# KiCad board NewMXtest.kicad_pcb (continued)
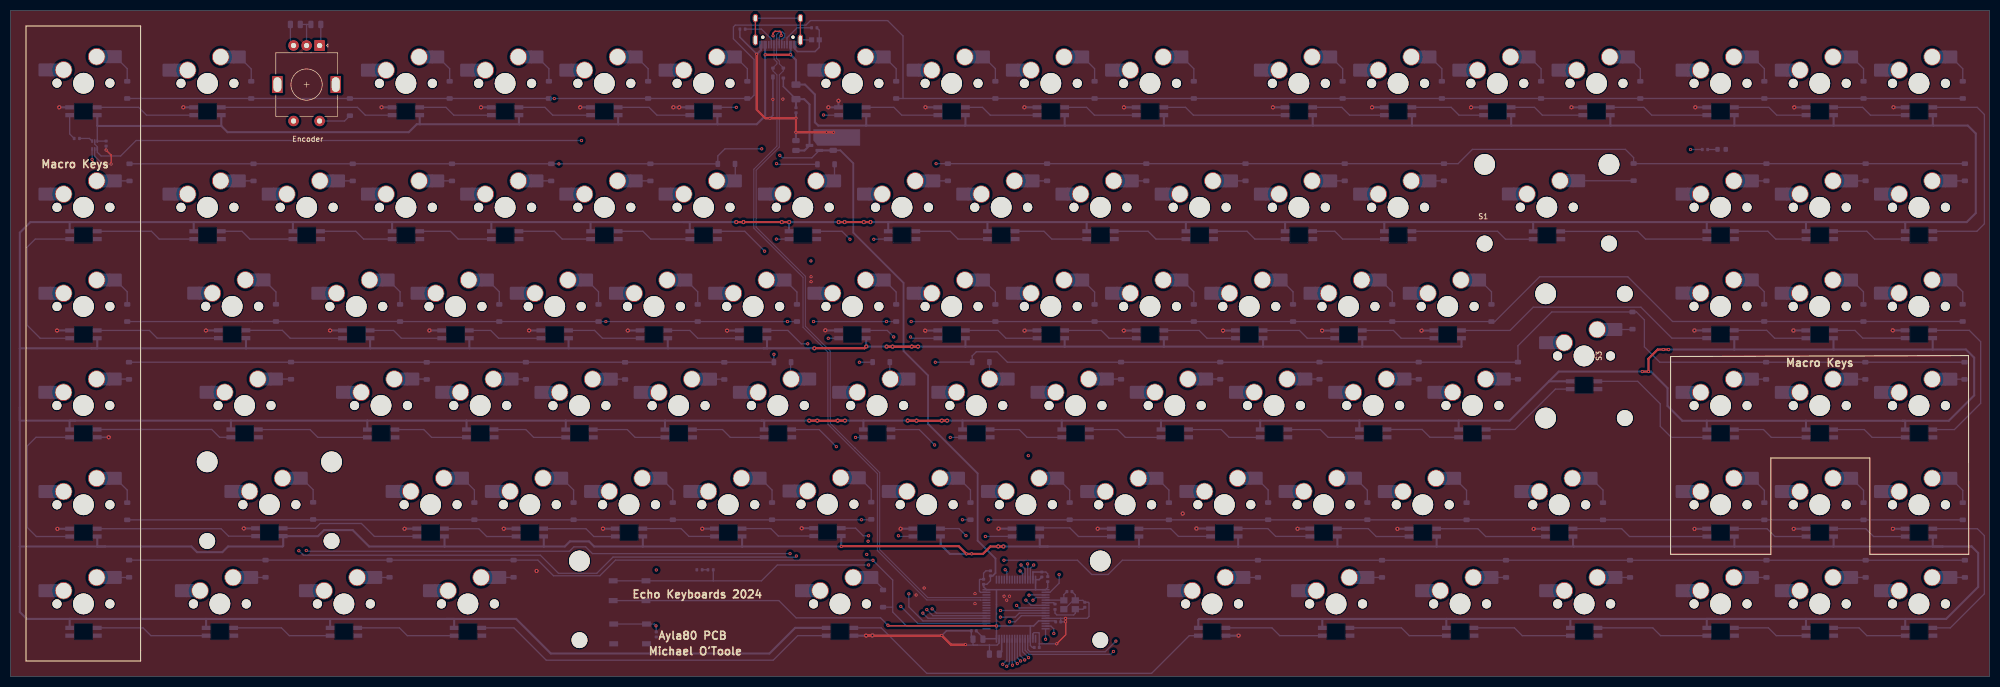
[diagram p0: board, top side]
## Footprints (pads in the part's own frame, mm; a bottom-side part is the same pattern mirrored in y, then rotated)
BEADC1608X95N
  rect 1x0.97 smd: 1(-0.735,0) 2(0.735,0)
C_0402_1005Metric
  rrect 0.56x0.62 smd: 1(-0.48,0) 2(0.48,0)
C_0805_2012Metric
  rrect 1x1.45 smd: 1(-0.95,0) 2(0.95,0)
Crystal_SMD_3225-4Pin_3.2x2.5mm
  rect 1.4x1.2 smd: 1(-1.1,-0.85) 2(1.1,-0.85) 3(1.1,0.85) 4(-1.1,0.85)
Diode_SOD-123
  rrect 0.9x1.2 smd: 1(-1.65,0) 2(1.65,0)
Fuse_1206_3216Metric
  rrect 1.25x1.75 smd: 1(-1.4,0) 2(1.4,0)
LED_0603_1608Metric
  rrect 0.875x0.95 smd: 1(-0.787,0) 2(0.787,0)
LQFP-64_10x10mm_P0.5mm
  rrect 1.55x0.3 smd: 1(-5.675,3.75) 2(-5.675,3.25) 3(-5.675,2.75) 4(-5.675,2.25) 5(-5.675,1.75) 6(-5.675,1.25) 7(-5.675,0.75) 8(-5.675,0.25) 9(-5.675,-0.25) 10(-5.675,-0.75) 11(-5.675,-1.25) 12(-5.675,-1.75) 13(-5.675,-2.25) 14(-5.675,-2.75) 15(-5.675,-3.25) 16(-5.675,-3.75) 33(5.675,-3.75) 34(5.675,-3.25) 35(5.675,-2.75) 36(5.675,-2.25) 37(5.675,-1.75) 38(5.675,-1.25) 39(5.675,-0.75) 40(5.675,-0.25) 41(5.675,0.25) 42(5.675,0.75) 43(5.675,1.25) 44(5.675,1.75) 45(5.675,2.25) 46(5.675,2.75) 47(5.675,3.25) 48(5.675,3.75)
  rrect 0.3x1.55 smd: 17(-3.75,-5.675) 18(-3.25,-5.675) 19(-2.75,-5.675) 20(-2.25,-5.675) 21(-1.75,-5.675) 22(-1.25,-5.675) 23(-0.75,-5.675) 24(-0.25,-5.675) 25(0.25,-5.675) 26(0.75,-5.675) 27(1.25,-5.675) 28(1.75,-5.675) 29(2.25,-5.675) 30(2.75,-5.675) 31(3.25,-5.675) 32(3.75,-5.675) 49(3.75,5.675) 50(3.25,5.675) 51(2.75,5.675) 52(2.25,5.675) 53(1.75,5.675) 54(1.25,5.675) 55(0.75,5.675) 56(0.25,5.675) 57(-0.25,5.675) 58(-0.75,5.675) 59(-1.25,5.675) 60(-1.75,5.675) 61(-2.25,5.675) 62(-2.75,5.675) 63(-3.25,5.675) 64(-3.75,5.675)
MX_HS_RGB_1U
  round 1.75 hole 1.75 unplated: (-5.081,0.05) (5.079,0.05)
  round 3.988 hole 3.988 unplated: (-0.02,0.02)
  round 3.3 hole 3: 1(3.809,2.59) 2(-2.541,5.13)
  rect 1.65x2.5 smd: 1(5.634,2.59) 2(-4.341,5.13)
  rrect 2.55x2.5 smd: 1(7.359,2.59) 2(-6.091,5.13)
R_0402_1005Metric
  rrect 0.54x0.64 smd: 1(-0.51,0) 2(0.51,0)
RotaryEncoder_Alps_EC11E-Switch_Vertical_H20mm
  rect 3.2x2 hole 2.8x1.5 unplated: (7.5,3.1) (7.5,-8.1)
  rect 2x2 hole 1: A(0,0)
  round 2 hole 1: B(0,-5) C(0,-2.5) S1(14.5,-5) S2(14.5,0)
SK6812-E
  rect 1.675x0.82 smd: 1(2.65,0.75) 2(2.65,-0.75) 3(-2.675,-0.75) 4(-2.65,0.75)
SOT-23
  rrect 1.475x0.6 smd: 1(-0.938,0.95) 2(-0.938,-0.95) 3(0.938,0)
SOT-143
  rrect 0.7x1 smd: 1(-1,0.75)
  rrect 0.7x0.6 smd: 2(-1,-0.95) 3(1,-0.95) 4(1,0.95)
SOT-563
  rrect 0.7x0.34 smd: 1(-0.75,0.5) 2(-0.75,0) 3(-0.75,-0.5) 4(0.75,-0.5) 5(0.75,0) 6(0.75,0.5)
Stabilizer_MX_2.00u
  round 3.048 hole 3.048 unplated: (-11.938,6.985) (11.938,6.985)
  round 3.988 hole 3.988 unplated: (-11.938,-8.225) (11.938,-8.225)
Stabilizer_MX_6.25u
  round 3.048 hole 3.048 unplated: (-50,6.985) (50,6.985)
  round 3.988 hole 3.988 unplated: (-50,-8.225) (50,-8.225)
SW_MX_HS_2.25U
  round 1.75 hole 1.75 unplated: (-5.08,-0.05) (5.08,-0.05)
  round 3.988 hole 3.988 unplated: (0,-0.05)
  round 3.3 hole 3: 1(3.81,2.49) 2(-2.54,5.03)
  rect 1.65x2.5 smd: 1(5.635,2.49) 2(-4.34,5.03)
  rrect 2.55x2.5 smd: 1(7.36,2.49) 2(-6.09,5.03)
SW_MX_HS_CPG151101S11_1.5u
  round 1.75 hole 1.75 unplated: (-5.08,0) (5.08,0)
  round 3.988 hole 3.988 unplated: (0,0)
  round 3.3 hole 3: 1(3.81,2.54) 2(-2.54,5.08)
  rect 1.65x2.5 smd: 1(5.635,2.54) 2(-4.34,5.08)
  rrect 2.55x2.5 smd: 1(7.36,2.54) 2(-6.09,5.08)
SW_MX_HS_CPG151101S11_1.25u
  round 1.75 hole 1.75 unplated: (-5.08,0) (5.08,0)
  round 3.988 hole 3.988 unplated: (0,0)
  round 3.3 hole 3: 1(3.81,2.54) 2(-2.54,5.08)
  rect 1.65x2.5 smd: 1(5.635,2.54) 2(-4.34,5.08)
  rrect 2.55x2.5 smd: 1(7.36,2.54) 2(-6.09,5.08)
SW_MX_HS_CPG151101S11_1.75u
  round 1.75 hole 1.75 unplated: (-5.08,0) (5.08,0)
  round 3.988 hole 3.988 unplated: (0,0)
  round 3.3 hole 3: 1(3.81,2.54) 2(-2.54,5.08)
  rect 1.65x2.5 smd: 1(5.635,2.54) 2(-4.34,5.08)
  rrect 2.55x2.5 smd: 1(7.36,2.54) 2(-6.09,5.08)
SW_MX_HS_CPG151101S11_1u
  round 1.75 hole 1.75 unplated: (-5.08,0) (5.08,0)
  round 3.988 hole 3.988 unplated: (0,0)
  round 3.3 hole 3: 1(3.81,2.54) 2(-2.54,5.08)
  rect 1.65x2.5 smd: 1(5.635,2.54) 2(-4.34,5.08)
  rrect 2.55x2.5 smd: 1(7.36,2.54) 2(-6.09,5.08)
SW_SPST_TL3342
  rect 1.7x1 smd: 1(-3.15,1.9) 1(3.15,1.9) 2(-3.15,-1.9) 2(3.15,-1.9)
USB_C_Receptacle_HRO_TYPE-C-31-M-12
  round 0.65 hole 0.65 unplated: (-2.89,2.6) (2.89,2.6)
  rect 0.6x1.45 smd: A1(-3.25,4.045) A4(-2.45,4.045) A9(2.45,4.045) A12(3.25,4.045) B1(3.25,4.045) B4(2.45,4.045) B9(-2.45,4.045) B12(-3.25,4.045)
  rect 0.3x1.45 smd: A5(-1.25,4.045) A6(-0.25,4.045) A7(0.25,4.045) A8(1.25,4.045) B5(1.75,4.045) B6(0.75,4.045) B7(-0.75,4.045) B8(-1.75,4.045)
  oval 1x1.6 hole 0.6x1.2: S1(-4.32,-1.05) S1(4.32,-1.05)
  oval 1x2.1 hole 0.6x1.7: S1(-4.32,3.13) S1(4.32,3.13)

## Nets
+3V3: BOOT1.2 C1.1 C2.1 C3.1 C4.1 C5.1 C6.1 C7.1 C8.1 C15.1 U1.1 U1.5 U2.1 U2.13 U2.19 U2.32 U2.48 U2.64 U3.2
+5V: C13.1 C14.1 F1.2 U3.3 U4.4
GND: C1.2 C2.2 C3.2 C4.2 C5.2 C6.2 C7.2 C8.2 C9.2 C10.2 C11.2 C12.2 C13.2 C14.2 C15.2 C16.2 C17.2 C18.2 FB1.2 J1.A1 J1.A12 J1.B1 J1.B12 Led1.1 R4.1 R5.1 R6.2 RGB1.3 RGB2.3 RGB3.3 RGB4.3 RGB5.3 RGB6.3 RGB7.3 RGB8.3 RGB9.3 RGB10.3 RGB11.3 RGB12.3 RGB13.3 RGB14.3 RGB15.3 RGB16.3 RGB17.3 RGB18.3 RGB19.3 RGB20.3 RGB21.3 RGB22.3 RGB23.3 RGB24.3 RGB25.3 RGB26.3 RGB27.3 RGB28.3 RGB29.3 RGB30.3 RGB31.3 RGB32.3 RGB33.3 RGB34.3 RGB35.3 RGB36.3 RGB37.3 RGB38.3 RGB39.3 RGB40.3 RGB41.3 RGB42.3 RGB43.3 RGB44.3 RGB45.3 RGB46.3 RGB47.3 RGB48.3 RGB49.3 RGB50.3 RGB51.3 RGB52.3 RGB53.3 RGB54.3 RGB55.3 RGB56.3 RGB57.3 RGB58.3 RGB59.3 RGB60.3 RGB61.3 RGB62.3 RGB63.3 RGB64.3 RGB65.3 RGB66.3 RGB67.3 RGB68.3 RGB69.3 RGB70.3 RGB71.3 RGB72.3 RGB73.3 RGB74.3 RGB75.3 RGB76.3 RGB77.3 RGB78.3 RGB79.3 RGB80.3 RGB81.3 RGB82.3 RGB83.3 RGB84.3 RGB85.3 RGB86.3 RGB87.3 RGB88.3 RGB89.3 RGB90.3 RGB91.3 RGB92.3 RGB93.3 RGB94.3 RGB95.3 RGB96.3 RGB97.3 RGB98.3 RGB99.3 RST1.2 SW1.C U1.2 U2.12 U2.18 U2.31 U2.47 U2.63 U3.1 U4.1 Y1.2 Y1.4
VBUS: C18.1 F1.1 J1.A4 J1.A9 J1.B4 J1.B9 RGB1.1 RGB2.1 RGB3.1 RGB4.1 RGB5.1 RGB6.1 RGB7.1 RGB8.1 RGB9.1 RGB10.1 RGB11.1 RGB12.1 RGB13.1 RGB14.1 RGB15.1 RGB16.1 RGB17.1 RGB18.1 RGB19.1 RGB20.1 RGB21.1 RGB22.1 RGB23.1 RGB24.1 RGB25.1 RGB26.1 RGB27.1 RGB28.1 RGB29.1 RGB30.1 RGB31.1 RGB32.1 RGB33.1 RGB34.1 RGB35.1 RGB36.1 RGB37.1 RGB38.1 RGB39.1 RGB40.1 RGB41.1 RGB42.1 RGB43.1 RGB44.1 RGB45.1 RGB46.1 RGB47.1 RGB48.1 RGB49.1 RGB50.1 RGB51.1 RGB52.1 RGB53.1 RGB54.1 RGB55.1 RGB56.1 RGB57.1 RGB58.1 RGB59.1 RGB60.1 RGB61.1 RGB62.1 RGB63.1 RGB64.1 RGB65.1 RGB66.1 RGB67.1 RGB68.1 RGB69.1 RGB70.1 RGB71.1 RGB72.1 RGB73.1 RGB74.1 RGB75.1 RGB76.1 RGB77.1 RGB78.1 RGB79.1 RGB80.1 RGB81.1 RGB82.1 RGB83.1 RGB84.1 RGB85.1 RGB86.1 RGB87.1 RGB88.1 RGB89.1 RGB90.1 RGB91.1 RGB92.1 RGB93.1 RGB94.1 RGB95.1 RGB96.1 RGB97.1 RGB98.1 RGB99.1 U1.6
BOOT0: BOOT1.1 R3.1 U2.60
COL0: MX1.1 MX18.1 MX36.1 MX53.1 MX71.1 MX88.1 U2.2
COL1: MX2.1 MX19.1 MX37.1 MX54.1 MX72.1 MX89.1 U2.3
COL2: MX20.1 MX38.1 MX55.1 MX73.1 MX90.1 SW1.S1 U2.4
COL3: MX3.1 MX21.1 MX39.1 MX56.1 MX74.1 MX91.1 U2.8
COL4: MX4.1 MX22.1 MX40.1 MX57.1 MX75.1 U2.9
COL5: MX5.1 MX23.1 MX41.1 MX58.1 MX76.1 U2.10
COL6: MX6.1 MX24.1 MX42.1 MX59.1 MX77.1 U2.11
COL7: MX7.1 MX25.1 MX43.1 MX60.1 MX78.1 MX92.1 U2.15
COL8: MX8.1 MX26.1 MX44.1 MX61.1 MX79.1 U2.16
COL9: MX9.1 MX27.1 MX45.1 MX62.1 MX80.1 U2.20
COL10: MX10.1 MX28.1 MX46.1 MX63.1 MX81.1 U2.21
COL11: MX11.1 MX29.1 MX47.1 MX64.1 MX82.1 MX93.1 U2.22
COL12: MX12.1 MX30.1 MX48.1 MX65.1 MX83.1 MX94.1 U2.23
COL13: MX13.1 MX31.1 MX49.1 MX66.1 MX84.1 MX95.1 U2.24
COL14: MX14.1 MX32.1 MX67.1 MX96.1 U2.25
COL15: MX15.1 MX33.1 MX50.1 MX68.1 MX85.1 MX97.1 U2.26
COL16: MX16.1 MX34.1 MX51.1 MX69.1 MX86.1 MX98.1 U2.27
COL17: MX17.1 MX35.1 MX52.1 MX70.1 MX87.1 MX99.1 U2.28
D+: J1.A6 J1.B6 U2.45 U4.3
D-: J1.A7 J1.B7 U2.44 U4.2
EXTERNAL_EEPROM_SPI_SLAVE_SELECT_PIN: U2.50
NRST: C9.1 RST1.1 U2.7
PH0: C10.1 U2.5 Y1.3
PH1: R2.1 U2.6
R_A: C17.1 SW1.A U2.61
R_B: C16.1 SW1.B U2.62
RGB: U1.3 U2.53
RGB_DATA: R1.2 RGB1.4
ROW0: D1.1 D2.1 D3.1 D4.1 D5.1 D6.1 D7.1 D8.1 D9.1 D10.1 D11.1 D12.1 D13.1 D14.1 D15.1 D16.1 D17.1 D100.1 U2.39
ROW1: D18.1 D19.1 D20.1 D21.1 D22.1 D23.1 D24.1 D25.1 D26.1 D27.1 D28.1 D29.1 D30.1 D31.1 D32.1 D33.1 D34.1 D35.1 U2.38
ROW2: D36.1 D37.1 D38.1 D39.1 D40.1 D41.1 D42.1 D43.1 D44.1 D45.1 D46.1 D47.1 D48.1 D49.1 D50.1 D51.1 D52.1 U2.37
ROW3: D53.1 D54.1 D55.1 D56.1 D57.1 D58.1 D59.1 D60.1 D61.1 D62.1 D63.1 D64.1 D65.1 D66.1 D67.1 D68.1 D69.1 D70.1 U2.36
ROW4: D71.1 D72.1 D73.1 D74.1 D75.1 D76.1 D77.1 D78.1 D79.1 D80.1 D81.1 D82.1 D83.1 D84.1 D85.1 D86.1 D87.1 U2.35
ROW5: D88.1 D89.1 D90.1 D91.1 D92.1 D93.1 D94.1 D95.1 D96.1 D97.1 D98.1 D99.1 U2.34
SPI_MISO_PIN: U2.56
SPI_MOSI_PIN: U2.57
SPI_SCK_PIN: U2.55
Net-(C11-Pad1): C11.1 R2.2 Y1.1
Net-(D1-A): D1.2 MX1.2
Net-(D2-A): D2.2 MX2.2
Net-(D3-A): D3.2 MX3.2
Net-(D4-A): D4.2 MX4.2
Net-(D5-A): D5.2 MX5.2
Net-(D6-A): D6.2 MX6.2
Net-(D7-A): D7.2 MX7.2
Net-(D8-A): D8.2 MX8.2
Net-(D9-A): D9.2 MX9.2
Net-(D10-A): D10.2 MX10.2
Net-(D11-A): D11.2 MX11.2
Net-(D12-A): D12.2 MX12.2
Net-(D13-A): D13.2 MX13.2
Net-(D14-A): D14.2 MX14.2
Net-(D15-A): D15.2 MX15.2
Net-(D16-A): D16.2 MX16.2
Net-(D17-A): D17.2 MX17.2
Net-(D18-A): D18.2 MX18.2
Net-(D19-A): D19.2 MX19.2
Net-(D20-A): D20.2 MX20.2
Net-(D21-A): D21.2 MX21.2
Net-(D22-A): D22.2 MX22.2
Net-(D23-A): D23.2 MX23.2
Net-(D24-A): D24.2 MX24.2
Net-(D25-A): D25.2 MX25.2
Net-(D26-A): D26.2 MX26.2
Net-(D27-A): D27.2 MX27.2
Net-(D28-A): D28.2 MX28.2
Net-(D29-A): D29.2 MX29.2
Net-(D30-A): D30.2 MX30.2
Net-(D31-A): D31.2 MX31.2
Net-(D32-A): D32.2 MX32.2
Net-(D33-A): D33.2 MX33.2
Net-(D34-A): D34.2 MX34.2
Net-(D35-A): D35.2 MX35.2
Net-(D36-A): D36.2 MX36.2
Net-(D37-A): D37.2 MX37.2
Net-(D38-A): D38.2 MX38.2
Net-(D39-A): D39.2 MX39.2
Net-(D40-A): D40.2 MX40.2
Net-(D41-A): D41.2 MX41.2
Net-(D42-A): D42.2 MX42.2
Net-(D43-A): D43.2 MX43.2
Net-(D44-A): D44.2 MX44.2
Net-(D45-A): D45.2 MX45.2
Net-(D46-A): D46.2 MX46.2
Net-(D47-A): D47.2 MX47.2
Net-(D48-A): D48.2 MX48.2
Net-(D49-A): D49.2 MX49.2
Net-(D50-A): D50.2 MX50.2
Net-(D51-A): D51.2 MX51.2
Net-(D52-A): D52.2 MX52.2
Net-(D53-A): D53.2 MX53.2
Net-(D54-A): D54.2 MX54.2
Net-(D55-A): D55.2 MX55.2
Net-(D56-A): D56.2 MX56.2
Net-(D57-A): D57.2 MX57.2
Net-(D58-A): D58.2 MX58.2
Net-(D59-A): D59.2 MX59.2
Net-(D60-A): D60.2 MX60.2
Net-(D61-A): D61.2 MX61.2
Net-(D62-A): D62.2 MX62.2
Net-(D63-A): D63.2 MX63.2
Net-(D64-A): D64.2 MX64.2
Net-(D65-A): D65.2 MX65.2
Net-(D66-A): D66.2 MX66.2
Net-(D67-A): D67.2 MX67.2
Net-(D68-A): D68.2 MX68.2
Net-(D69-A): D69.2 MX69.2
Net-(D70-A): D70.2 MX70.2
Net-(D71-A): D71.2 MX71.2
Net-(D72-A): D72.2 MX72.2
Net-(D73-A): D73.2 MX73.2
Net-(D74-A): D74.2 MX74.2
Net-(D75-A): D75.2 MX75.2
Net-(D76-A): D76.2 MX76.2
Net-(D77-A): D77.2 MX77.2
Net-(D78-A): D78.2 MX78.2
Net-(D79-A): D79.2 MX79.2
Net-(D80-A): D80.2 MX80.2
Net-(D81-A): D81.2 MX81.2
Net-(D82-A): D82.2 MX82.2
Net-(D83-A): D83.2 MX83.2
Net-(D84-A): D84.2 MX84.2
Net-(D85-A): D85.2 MX85.2
Net-(D86-A): D86.2 MX86.2
Net-(D87-A): D87.2 MX87.2
Net-(D88-A): D88.2 MX88.2
Net-(D89-A): D89.2 MX89.2
Net-(D90-A): D90.2 MX90.2
Net-(D91-A): D91.2 MX91.2
Net-(D92-A): D92.2 MX92.2
Net-(D93-A): D93.2 MX93.2
Net-(D94-A): D94.2 MX94.2
Net-(D95-A): D95.2 MX95.2
Net-(D96-A): D96.2 MX96.2
Net-(D97-A): D97.2 MX97.2
Net-(D98-A): D98.2 MX98.2
Net-(D99-A): D99.2 MX99.2
Net-(D100-A): D100.2 SW1.S2
Net-(J1-CC1): J1.A5 R5.2
Net-(J1-CC2): J1.B5 R6.1
Net-(J1-SHIELD): FB1.1 J1.S1
Net-(Led1-A): Led1.2 R7.2
Net-(R3-Pad2): R3.2 R4.2
Net-(RGB1-DOUT): RGB1.2 RGB2.4
Net-(RGB2-DOUT): RGB2.2 RGB3.4
Net-(RGB3-DOUT): RGB3.2 RGB4.4
Net-(RGB4-DOUT): RGB4.2 RGB5.4
Net-(RGB5-DOUT): RGB5.2 RGB6.4
Net-(RGB6-DOUT): RGB6.2 RGB7.4
Net-(RGB7-DOUT): RGB7.2 RGB8.4
Net-(RGB8-DOUT): RGB8.2 RGB9.4
Net-(RGB10-DIN): RGB9.2 RGB10.4
Net-(RGB10-DOUT): RGB10.2 RGB11.4
Net-(RGB11-DOUT): RGB11.2 RGB12.4
Net-(RGB12-DOUT): RGB12.2 RGB13.4
Net-(RGB13-DOUT): RGB13.2 RGB14.4
Net-(RGB14-DOUT): RGB14.2 RGB15.4
Net-(RGB15-DOUT): RGB15.2 RGB16.4
Net-(RGB16-DOUT): RGB16.2 RGB17.4
Net-(RGB17-DOUT): RGB17.2 RGB35.4
Net-(RGB18-DIN): RGB18.4 RGB19.2
Net-(RGB18-DOUT): RGB18.2 RGB36.4
Net-(RGB19-DIN): RGB19.4 RGB20.2
Net-(RGB20-DIN): RGB20.4 RGB21.2
Net-(RGB21-DIN): RGB21.4 RGB22.2
Net-(RGB22-DIN): RGB22.4 RGB23.2
Net-(RGB23-DIN): RGB23.4 RGB24.2
Net-(RGB24-DIN): RGB24.4 RGB25.2
Net-(RGB25-DIN): RGB25.4 RGB26.2
Net-(RGB26-DIN): RGB26.4 RGB27.2
Net-(RGB27-DIN): RGB27.4 RGB28.2
Net-(RGB28-DIN): RGB28.4 RGB29.2
Net-(RGB29-DIN): RGB29.4 RGB30.2
Net-(RGB30-DIN): RGB30.4 RGB31.2
Net-(RGB31-DIN): RGB31.4 RGB32.2
Net-(RGB32-DIN): RGB32.4 RGB33.2
Net-(RGB33-DIN): RGB33.4 RGB34.2
Net-(RGB34-DIN): RGB34.4 RGB35.2
Net-(RGB36-DOUT): RGB36.2 RGB37.4
Net-(RGB37-DOUT): RGB37.2 RGB38.4
Net-(RGB38-DOUT): RGB38.2 RGB39.4
Net-(RGB39-DOUT): RGB39.2 RGB40.4
Net-(RGB40-DOUT): RGB40.2 RGB41.4
Net-(RGB41-DOUT): RGB41.2 RGB42.4
Net-(RGB42-DOUT): RGB42.2 RGB43.4
Net-(RGB43-DOUT): RGB43.2 RGB44.4
Net-(RGB44-DOUT): RGB44.2 RGB45.4
Net-(RGB45-DOUT): RGB45.2 RGB46.4
Net-(RGB46-DOUT): RGB46.2 RGB47.4
Net-(RGB47-DOUT): RGB47.2 RGB48.4
Net-(RGB48-DOUT): RGB48.2 RGB49.4
Net-(RGB49-DOUT): RGB49.2 RGB50.4
Net-(RGB50-DOUT): RGB50.2 RGB51.4
Net-(RGB51-DOUT): RGB51.2 RGB52.4
Net-(RGB52-DOUT): RGB52.2 RGB70.4
Net-(RGB53-DIN): RGB53.4 RGB54.2
Net-(RGB53-DOUT): RGB53.2 RGB71.4
Net-(RGB54-DIN): RGB54.4 RGB55.2
Net-(RGB55-DIN): RGB55.4 RGB56.2
Net-(RGB56-DIN): RGB56.4 RGB57.2
Net-(RGB57-DIN): RGB57.4 RGB58.2
Net-(RGB58-DIN): RGB58.4 RGB59.2
Net-(RGB59-DIN): RGB59.4 RGB60.2
Net-(RGB60-DIN): RGB60.4 RGB61.2
Net-(RGB61-DIN): RGB61.4 RGB62.2
Net-(RGB62-DIN): RGB62.4 RGB63.2
Net-(RGB63-DIN): RGB63.4 RGB64.2
Net-(RGB64-DIN): RGB64.4 RGB65.2
Net-(RGB65-DIN): RGB65.4 RGB66.2
Net-(RGB66-DIN): RGB66.4 RGB67.2
Net-(RGB67-DIN): RGB67.4 RGB68.2
Net-(RGB68-DIN): RGB68.4 RGB69.2
Net-(RGB69-DIN): RGB69.4 RGB70.2
Net-(RGB71-DOUT): RGB71.2 RGB72.4
Net-(RGB72-DOUT): RGB72.2 RGB73.4
Net-(RGB73-DOUT): RGB73.2 RGB74.4
Net-(RGB74-DOUT): RGB74.2 RGB75.4
Net-(RGB75-DOUT): RGB75.2 RGB76.4
Net-(RGB76-DOUT): RGB76.2 RGB77.4
Net-(RGB77-DOUT): RGB77.2 RGB78.4
Net-(RGB78-DOUT): RGB78.2 RGB79.4
Net-(RGB79-DOUT): RGB79.2 RGB80.4
Net-(RGB80-DOUT): RGB80.2 RGB81.4
Net-(RGB81-DOUT): RGB81.2 RGB82.4
Net-(RGB82-DOUT): RGB82.2 RGB83.4
Net-(RGB83-DOUT): RGB83.2 RGB84.4
Net-(RGB84-DOUT): RGB84.2 RGB85.4
Net-(RGB85-DOUT): RGB85.2 RGB86.4
Net-(RGB86-DOUT): RGB86.2 RGB87.4
Net-(RGB87-DOUT): RGB87.2 RGB99.4
Net-(RGB88-DIN): RGB88.4 RGB89.2
Net-(RGB89-DIN): RGB89.4 RGB90.2
Net-(RGB90-DIN): RGB90.4 RGB91.2
Net-(RGB91-DIN): RGB91.4 RGB92.2
Net-(RGB92-DIN): RGB92.4 RGB93.2
Net-(RGB93-DIN): RGB93.4 RGB94.2
Net-(RGB94-DIN): RGB94.4 RGB95.2
Net-(RGB95-DIN): RGB95.4 RGB96.2
Net-(RGB96-DIN): RGB96.4 RGB97.2
Net-(RGB97-DIN): RGB97.4 RGB98.2
Net-(RGB98-DIN): RGB98.4 RGB99.2
Net-(U1-B): R1.1 U1.4
Net-(U2-PB7): R7.1 U2.59
Net-(U2-VCAP1): C12.1 U2.30

Pads without a net: J1 A8 B8; RGB88 2; U2 14 17 29 33 40 41 42 43 46 49 51 52 54 58

## Via types
v1: diameter 0.6, hole 0.3, Top to Bottom, 117 vias
v2: diameter 0.8, hole 0.4, Top to Bottom, 83 vias

## Routing (per net, layer and track width the routed paths; a pad name or vN(x,y) marks a point on that pad's centre or on a via; arc(x,y) is an arc through that point)
+3V3: length 370.2
  Top w0.25: 168.49,9.86 v1(168.47,9.88) 168.62,9.73 v1(189.32,9.73)
  In1.Cu w0.25: v1(109.66,103) 143.97,103 144,102.98 144.91,102.98 v1(147.73,100.16)
  Bottom w0.25: C4.1 200.51,10.7 U2.13 ; C2.1 187.48,17.73 188.17,18.42 C8.1 ; v1(168.47,9.88) 167.07,11.28 150.86,11.28 147.54,14.6 BOOT1.2 BOOT1.2 ; U3.2 153.87,99.67 148.21,99.67 v1(147.73,100.16) ; v1(109.66,103) 24.13,103 21.16,100.03 17.4,100.03 16.68,100.76 U1.1 16.68,101.82 16.18,102.32 U1.5 ; C6.1 196.22,5.59 195.82,5.99 U2.19 ; C1.1 186.72,7.52 C5.1 ; C7.1 199.17,17.12 U2.1 ; 189.32,16.67 189.3,16.7
  Bottom w0.3: 195.84,9.73 196.45,9.73 197.41,10.7 U2.13 ; 195.84,9.73 195.82,9.72 U2.19 ; 195.84,9.73 189.36,9.73 189.32,9.7 U2.32 186.8,7.27 C1.1 ; C2.1 186.85,17.25 U2.48 U2.1 ; 189.32,16.67 v1(189.32,9.73) 189.32,9.37 ; 196.83,16.7 196.82,16.7 U2.64 197.51,18.62 C3.1
  Bottom w0.35: C8.1 188.6,19.36 189.13,19.89 189.13,22.69 185.7,26.12 185.7,39.04 176.18,48.56 176.18,57.87 171.48,62.57 171.48,75.65 161.83,85.3 161.83,98.63 159.35,101.11 C15.1
  Bottom w0.4: U3.2 157.97,101.1 C15.1
+5V: length 20.6
  Bottom w0.3: F1.2 148.4,113.38 U4.4
  Bottom w0.4: C13.1 F1.2 152.41,110.95 153.43,109.93 U3.3 152.46,101.09 C14.1
GND: length 297.4
  Top w0.25: v1(19.33,98.48) 19.33,100.21 v1(18.37,101.17) ; v1(202.6,11.2) 202.6,8 v1(200.9,6.3)
  Top w0.3: v1(150.83,107.29) 150.81,107.27 150.82,107.26
  Top w0.4: v1(183.35,6.15) 180.57,6.15 v1(178.82,7.9) 178.8,7.88 v2(164.3,7.88) 164.32,7.9 v2(165.5,7.9) ; 150.81,107.27 v1(145.83,107.27) 144.94,107.27 143.29,108.92 v1(143.29,119.59) ; 150.82,107.26 v1(150.82,104.6) v1(158,104.6)
  Bottom w0.2: Y1.2 202.36,12.95 204.06,14.65 Y1.4
  Bottom w0.25: C10.2 204.46,15.69 Y1.4 205.91,14.65 C11.2 206.94,14.28 207.09,14.13 207.09,11.56 206.73,11.2 v1(202.6,11.2) 201.66,11.2 ; U2.12 201.66,11.2 ; 201.66,11.2 201.65,11.2 C4.2 ; U2.47 186.25,16.2 186.06,16.39 186.06,18.57 186.18,18.69 C2.2 186.85,19.87 187.3,20.32 C8.2 ; 197.54,6.3 C6.2 ; 197.54,6.3 v1(200.9,6.3) 201.1,6.3 ; 197.54,6.3 197.54,8.34 197.44,8.44 196.52,8.44 196.32,8.23 196.32,8.12 196.32,8.12 U2.18 ; v1(183.35,6.15) 183.45,6.05 185.65,6.05 ; 185.65,6.05 184.92,6.05 184.82,6.15 C1.2 184.49,7.53 C5.2 ; 185.65,6.05 187.96,6.05 ; U1.2 16.18,99.99 17.68,98.48 v1(19.33,98.48) ; 187.96,6.05 187.97,6.05 C12.2 ; 187.96,6.05 189.44,6.05 189.82,6.43 U2.31 ; 56.93,125.3 56.86,125.24 SW1.C ; 56.93,125.3 C16.2 ; 56.93,125.3 C17.2 ; R6.2 155.3,124.21 FB1.2 ; C7.2 199.17,19.74 198.82,20.09 C3.2 ; v1(18.37,101.17) C18.2
  Bottom w0.3: C5.2 179.72,8.79 v1(178.82,7.9) ; U2.63 196.32,20.09 196.33,20.09 C3.2 ; RGB53.3 18.87,45.98 v2(18.88,45.98) ; J1.A12 150.6,120.6 151.1,120.1 154.5,120.1 155.3,120.9 FB1.2 ; v1(143.29,119.59) 143.3,119.6 143.3,119.62 140.06,122.86 R5.1 ; 156.7,103.01 v1(156.7,104.6) v1(158,104.6) 157.98,104.58 C15.2 156.7,103.01 ; 156.7,103.01 155.31,103.01 U3.1 ; C4.2 v1(202.6,10.52) 202.6,10.53 ; U4.1 v1(146.4,110.9) 146.4,107.84 v1(145.83,107.27)
  Bottom w0.4: J1.A1 144.1,120.41 v1(143.29,119.59) ; v2(361.41,66.52) 361.42,66.53 363.77,66.53 ; v2(94.72,28.41) 94.73,28.42 97.04,28.42 ; 197.06,109.38 v2(194.69,109.38) ; 47.13,28.47 44.82,28.47 v2(44.81,28.46) ; 273.31,66.49 270.96,66.49 v2(270.95,66.48) ; 301.95,109.38 v2(299.73,109.38) ; RGB51.3 342.36,66.51 v2(342.35,66.5) ; 197.08,66.49 194.73,66.49 v2(194.72,66.48) ; 216.13,66.49 213.78,66.49 v2(213.77,66.48) ; v2(75.67,28.41) 75.68,28.42 77.99,28.42 ; 178.06,109.38 v2(175.69,109.38) ; v2(37.52,66.5) 37.53,66.51 39.84,66.51 ; 116.09,28.42 116.08,28.41 v2(113.77,28.41) ; v2(235.8,7.88) 235.79,7.86 RGB93.3 ; 178,66.49 175.66,66.49 v2(175.65,66.48) ; v2(9.38,109.38) 11.35,109.38 RGB1.3 ; 158.98,110.65 v2(158.99,110.64) RGB7.3 157.06,109.38 v2(157.05,109.38) ; v2(323.34,28.39) 325.65,28.39 325.66,28.4 ; 63.71,66.51 61.41,66.51 v2(61.4,66.5) ; v2(151.93,28.49) 151.94,28.5 154.24,28.5 ; RGB13.3 v2(280.45,109.38) ; v2(292.46,28.39) 292.47,28.4 294.78,28.4 ; 120.85,66.5 118.55,66.5 v2(118.54,66.49) ; 216.16,109.38 v2(213.79,109.38) ; 363.76,28.4 361.45,28.4 v2(361.44,28.39) ; v2(132.82,28.41) 132.83,28.42 135.14,28.42 ; C13.2 v1(150.83,107.29) 150.82,107.28 v1(150.82,104.6) C14.2 ; 249.44,28.42 249.43,28.41 v2(247.12,28.41) ; RGB79.3 v2(189.72,28.43) ; v2(109.4,109.38) 111.37,109.38 ; 268.62,28.4 266.31,28.4 v2(266.3,28.39) ; v2(99.6,66.5) 101.9,66.5 101.91,66.51 ; 173.24,28.42 173.23,28.41 v2(170.92,28.41) ; v2(9.02,28.39) 9.03,28.4 11.33,28.4 ; 325.68,66.51 323.33,66.51 v2(323.32,66.5) ; v2(33.2,109.38) 35.17,109.38 ; v2(127.29,109.38) 130.38,109.38 ; RGB43.3 156.48,66.51 v2(156.47,66.53) ; v2(342.39,28.39) 342.4,28.4 344.71,28.4 ; RGB17.3 v2(361.55,109.38) ; v2(71.25,109.38) 73.22,109.38 ; 325.73,109.38 v2(323.5,109.38) ; 230.41,28.45 v2(227.72,28.45) ; 263.8,109.38 v2(261.43,109.38) ; v2(232.82,66.48) 232.83,66.49 235.18,66.49 ; RGB92.3 165.46,7.86 v2(165.5,7.9) ; v2(90.35,109.38) 92.32,109.38 ; 211.33,28.43 v2(208.75,28.43) ; v2(8.95,66.5) 8.96,66.51 11.26,66.51 ; 254.2,66.49 251.86,66.49 v2(251.85,66.48) ; RGB16.3 v2(342.5,109.38) ; RGB42.3 139.91,66.49 137.61,66.49 v2(137.6,66.48) ; 82.76,66.51 80.46,66.51 v2(80.45,66.5) ; 244.76,109.38 v2(242.39,109.38)
  vias: v1(148.32,110.95) v1(153.72,76.83) v1(153.72,75.88) v1(173.89,15.68) v1(175.44,17.02) v1(185.2,15.93) v1(185.2,14.03) v1(190.78,15.45) v1(191.29,14.69) v1(191.8,15.45) v2(101.03,20.3) v2(128.41,109.38) v2(225.07,31.33)
VBUS: length 2520.1
  Top w0.4: v1(318.39,62.82) 318.37,62.84 v1(317.33,62.84) 316.29,62.84 314.51,61.07 v1(314.51,58.6) v1(313.3,58.6) ; v2(174.25,63.4) v2(173.05,63.4) v2(169.37,63.4) v2(168.23,63.4) ; v2(164.34,63.43) 163.99,63.07 v2(154.36,63.07) ; v1(144.91,119.46) 144.94,119.49 v1(149.8,119.49) ; v2(149.51,87.33) v2(140.75,87.33) v2(139.35,87.33) ; v2(153.37,49.18) v2(160.23,49.18) ; v2(172.27,49.18) v2(179.84,49.18) ; 159.55,25.08 159.58,25.05 182.07,25.05 v1(183.54,23.58) 186.72,23.58 188.14,25 v2(190.66,25) ; v2(165.13,87.33) v2(159.03,87.33)
  Bottom w0.25: 16.67,105.88 16.68,105.88 U1.6 18.36,102.89 C18.1
  Bottom w0.4: 350.02,25 331.02,25 ; 350.02,25 350.05,25.03 RGB86.1 ; 350.02,25 370.97,25 ; 331.02,25 331,25.02 RGB85.1 ; 331.02,25 300.15,25 ; 202.47,105.87 202.41,105.93 RGB9.1 ; 202.47,105.87 183.29,105.87 ; 202.47,105.87 221.52,105.87 ; 182.81,49.18 182.81,49.18 RGB61.1 ; 182.81,49.18 v2(178.82,49.18) ; 182.81,49.18 201.86,49.18 ; 97.69,106.13 116.74,106.13 ; 97.69,106.13 78.64,106.13 ; 97.69,106.13 97.64,106.18 RGB4.1 ; 116.74,106.13 116.69,106.18 RGB5.1 ; 116.74,106.13 135.79,106.13 ; RGB7.1 164.31,105.94 164.24,105.87 ; RGB1.1 16.67,105.88 16.75,105.8 40.49,105.8 ; 244.76,87.33 244.74,87.31 RGB30.1 ; 244.76,87.33 263.68,87.33 ; 244.76,87.33 225.71,87.33 ; 126.27,63.07 144.61,63.07 ; 126.27,63.07 107.22,63.07 ; 126.27,63.07 126.21,63.13 RGB41.1 ; 144.61,63.07 145.32,63.07 145.26,63.13 RGB42.1 ; 144.61,63.07 v2(154.36,63.07) ; 106.61,49.18 106.62,49.16 106.62,47.46 ; 106.61,49.18 125.71,49.18 ; 106.61,49.18 87.56,49.18 ; 125.71,49.18 144.2,49.18 ; 125.71,49.18 125.68,49.15 125.68,47.46 ; 144.2,49.18 144.63,49.18 144.72,49.09 144.72,47.46 ; 144.2,49.18 v2(154.92,49.18) ; 216.69,25 216.7,25.01 216.68,25.03 RGB80.1 ; 216.69,25 235.74,25 ; 216.69,25 199.17,25 ; 135.79,106.13 135.74,106.18 RGB6.1 ; 135.79,106.13 143.29,106.13 144.91,107.75 v1(144.91,119.46) ; 1.81,63.05 1.83,63.07 15.52,63.07 ; 1.81,63.05 1.81,85.3 3.84,87.33 11.84,87.33 ; 1.81,63.05 1.81,51.72 ; 369.22,105.87 369.1,105.99 RGB17.1 ; 369.22,105.87 375.82,105.87 377.35,104.35 377.35,89.06 375.62,87.33 363.63,87.33 ; 369.22,105.87 350.04,105.87 ; 295.4,56.74 299.49,56.74 ; 295.4,56.74 297.27,58.6 v1(314.51,58.6) 314.99,58.6 318.17,55.43 318.17,52 321.01,49.15 325.71,49.15 ; 295.4,56.74 287.84,49.18 278.08,49.18 ; v2(169.37,63.4) 164.32,63.4 164.31,63.41 RGB43.1 ; RGB36.1 16.67,63.08 16.67,63.07 15.52,63.07 ; 325.71,49.15 344.73,49.15 ; 325.71,49.15 325.7,49.15 RGB68.1 ; 344.73,49.15 363.3,49.15 ; 344.73,49.15 344.75,49.14 RGB69.1 ; 40.49,105.8 41.69,104.6 76.48,104.6 78.01,106.13 78.64,106.13 ; 40.49,105.8 RGB2.1 ; 350.07,62.84 350.03,62.88 RGB51.1 ; 350.07,62.84 330.99,62.84 ; 350.07,62.84 375.47,62.84 377.04,61.27 377.04,54.03 372.17,49.15 363.3,49.15 ; RGB95.1 275.69,11.08 275.7,11.08 ; J1.A9 v1(149.8,119.49) 150.83,118.46 F1.1 152.56,113.75 154.46,111.84 154.46,106.51 155.1,105.87 164.24,105.87 ; 68.53,49.18 87.56,49.18 ; 68.53,49.18 42.32,49.18 ; 68.53,49.18 68.52,49.17 RGB55.1 ; 87.56,49.18 87.58,49.16 87.58,47.46 ; RGB24.1 130.44,87.31 130.46,87.33 129.19,87.33 ; 275.7,11.08 251.92,11.08 ; 275.7,11.08 299.5,11.08 ; 251.92,11.08 251.88,11.04 RGB94.1 ; 251.92,11.08 228.25,11.08 228.07,10.9 RGB93.1 ; 164.24,105.87 183.29,105.87 ; 220.88,49.18 220.9,49.16 RGB63.1 ; 220.88,49.18 201.86,49.18 ; 220.88,49.18 239.98,49.18 ; 239.98,49.18 259.01,49.18 ; 239.98,49.18 239.95,49.15 RGB64.1 ; 259.01,49.18 278.08,49.18 ; 259.01,49.18 259,49.18 RGB65.1 ; 363.3,49.15 363.76,49.15 363.8,49.11 RGB70.1 ; 197.67,25 197.64,25.02 197.65,25.03 ; 197.67,25 197.63,25.04 197.63,27.07 ; 197.67,25 199.17,25 ; 299.5,11.08 299.51,11.07 RGB96.1 ; 299.5,11.08 326.85,11.08 ; 169.45,87.33 168.56,87.33 168.54,87.31 RGB26.1 ; 169.45,87.33 v2(163.86,87.33) ; 169.45,87.33 187.61,87.33 ; 206.66,87.33 225.71,87.33 ; 206.66,87.33 206.64,87.31 RGB28.1 ; 206.66,87.33 187.61,87.33 ; 225.71,87.33 225.69,87.31 RGB29.1 ; 102.42,25 102.4,25.02 102.4,26.91 ; 102.42,25 83.37,25 ; 102.42,25 106.45,25 107.43,25.98 111.1,25.98 112.07,25 121.4,25 ; 83.37,25 83.35,25.02 83.35,26.91 ; 83.37,25 68.86,25 65.71,28.15 60.23,28.15 59.06,26.98 RGB72.1 52.37,25.12 52.25,25 41.78,25 40.69,23.91 35.83,23.91 34.74,25 18.19,25 ; 221.52,105.87 221.46,105.93 RGB10.1 ; 221.52,105.87 250.09,105.87 ; 163.78,47.46 163.78,49.17 163.78,49.18 ; 18.19,25 16.67,25 16.67,25.01 RGB71.1 ; 18.19,25 1.81,25 ; RGB97.1 325.7,11.07 325.71,11.08 326.85,11.08 ; RGB44.1 183.36,63.42 183.34,63.4 ; 121.4,25 140.52,25 ; 121.4,25 121.43,25.03 RGB75.1 ; 140.52,25 159.47,25 159.55,25.08 159.53,25.1 RGB77.1 ; 140.52,25 140.48,25.04 RGB76.1 ; RGB88.1 11.38,11.07 11.38,11.08 37.55,11.08 ; RGB12.1 269.09,105.93 269.14,105.87 ; 344.76,11.08 344.75,11.07 RGB98.1 ; 344.76,11.08 326.85,11.08 ; 344.76,11.08 363.81,11.08 ; 78.64,106.13 78.59,106.18 RGB3.1 ; 42.32,49.18 12.43,49.18 ; 42.32,49.18 42.33,49.17 42.33,47.46 ; RGB82.1 254.78,25.04 254.82,25 ; 254.82,25 235.74,25 ; 254.82,25 273.84,25 ; v2(148.11,87.33) 160.3,87.33 ; RGB31.1 263.79,87.22 263.68,87.33 ; 12.43,49.18 11.46,49.18 11.35,49.07 RGB53.1 ; 12.43,49.18 1.88,49.18 1.81,49.26 1.81,51.72 ; RGB13.1 288.14,105.93 288.19,105.87 ; v1(317.33,62.84) 330.99,62.84 ; v2(173.05,63.4) 183.34,63.4 ; 183.34,63.4 202.42,63.4 ; 54.26,87.33 54.24,87.31 RGB20.1 ; 54.26,87.33 73.31,87.33 ; 54.26,87.33 35.21,87.33 ; 183.29,105.87 183.36,105.94 RGB8.1 ; 1.81,25 1.81,12.4 3.13,11.08 11.92,11.08 ; 1.81,25 1.81,51.72 ; RGB38.1 69.06,63.13 69.12,63.07 ; 325.66,87.33 344.71,87.33 ; 325.66,87.33 292.33,87.33 ; 325.66,87.33 325.7,87.29 RGB33.1 ; 344.71,87.33 363.63,87.33 ; 344.71,87.33 344.75,87.29 RGB34.1 ; 263.68,87.33 292.33,87.33 ; 292.33,87.33 292.36,87.3 RGB32.1 ; 363.63,87.33 363.8,87.16 RGB35.1 ; 370.97,25 376.51,25 376.53,25.02 377.8,23.75 377.8,17.23 371.66,11.08 363.81,11.08 ; 370.97,25 369.09,25 369.09,26.09 369.1,26.1 RGB87.1 ; 88.17,63.07 88.11,63.13 RGB39.1 ; 88.17,63.07 69.12,63.07 ; 88.17,63.07 107.22,63.07 ; 11.84,87.33 11.46,87.33 11.38,87.25 RGB18.1 ; 11.84,87.33 35.21,87.33 ; 37.55,11.08 61.4,11.08 ; 37.55,11.08 37.57,11.06 RGB89.1 ; 61.4,11.08 61.38,11.06 RGB90.1 ; 61.4,11.08 83.72,11.08 ; 45.24,63.07 45.23,63.09 RGB37.1 ; 45.24,63.07 15.52,63.07 ; 45.24,63.07 69.12,63.07 ; 83.72,11.08 85.2,11.08 85.19,11.08 RGB91.1 ; 83.72,11.08 97.11,11.08 103.75,4.44 145.74,4.44 150.66,9.36 RGB92.1 ; 35.21,87.33 35.19,87.31 RGB19.1 ; 235.74,25 235.75,25.01 235.73,25.03 RGB81.1 ; 199.17,25 v2(189.67,25) ; 363.81,11.08 363.8,11.07 RGB99.1 ; 350.04,105.87 350.05,105.88 RGB16.1 ; 350.04,105.87 330.99,105.87 ; RGB66.1 278.06,49.15 278.08,49.18 ; RGB22.1 92.34,87.31 92.36,87.33 ; 107.22,63.07 107.16,63.13 RGB40.1 ; 73.31,87.33 92.36,87.33 ; 73.31,87.33 73.29,87.31 RGB21.1 ; 92.36,87.33 111.41,87.33 ; 163.78,49.18 v2(173.97,49.18) ; 163.78,49.18 v2(158.83,49.18) ; 201.86,49.18 201.85,49.18 RGB62.1 ; 273.84,25 300.15,25 ; 273.84,25 273.83,25.01 RGB83.1 ; 300.15,25 300.02,25.12 RGB84.1 ; 330.99,62.84 330.98,62.86 RGB50.1 ; 330.99,105.87 307.24,105.87 ; 330.99,105.87 331,105.88 RGB15.1 ; 259.57,63.4 278.59,63.4 278.61,63.42 RGB49.1 ; 259.57,63.4 240.52,63.4 ; 259.57,63.4 259.56,63.41 RGB48.1 ; v1(184.56,23.58) 180.37,23.58 178.6,25.35 178.6,26.91 ; 240.52,63.4 221.44,63.4 ; 240.52,63.4 240.51,63.41 RGB47.1 ; 307.24,105.87 288.19,105.87 ; 307.24,105.87 307.19,105.93 RGB14.1 ; RGB11.1 250.04,105.93 250.09,105.87 ; 187.61,87.33 187.59,87.31 RGB27.1 ; RGB25.1 149.49,87.31 v2(149.51,87.33) ; 288.19,105.87 269.14,105.87 ; RGB46.1 221.46,63.42 221.44,63.4 ; 111.41,87.33 111.39,87.31 RGB23.1 ; 111.41,87.33 129.19,87.33 ; RGB45.1 202.41,63.41 202.42,63.4 ; 129.19,87.33 v2(140.75,87.33) ; J1.A4 144.9,119.5 ; 269.14,105.87 250.09,105.87 ; RGB52.1 369.08,62.86 369.09,62.84 ; 202.42,63.4 221.44,63.4
  vias: v1(159.52,25.02) v2(160.18,87.33)
BOOT0: length 84.9
  In1.Cu w0.25: v1(164.77,21.44) v1(194.04,21.44)
  Bottom w0.25: 134.97,18.4 144.21,18.4 147.25,21.44 v1(164.77,21.44) ; 134.97,18.4 BOOT1.1 BOOT1.1 ; 134.97,18.4 134.95,18.43 R3.1 ; v1(194.04,21.44) 194.82,20.66 U2.60
COL0: length 359.4
  In2.Cu w0.25: 6.63,92.79 6.63,115.27 7.93,116.57 MX1.1 ; 6.63,92.79 6.72,92.71 MX18.1 ; 6.63,92.79 6.63,73.61 ; 6.63,16.46 6.63,6.3 12.22,0.72 177.58,0.72 181.39,4.53 203.22,4.53 208.47,9.78 208.47,17.05 205.93,19.6 v1(201.35,19.6) ; 6.63,16.46 6.68,16.51 MX88.1 ; 6.63,16.46 6.63,35.51 ; 6.63,73.61 6.63,54.69 ; 6.63,73.61 6.68,73.66 MX36.1 ; 6.63,54.69 6.63,35.51 ; 6.63,54.69 6.7,54.63 MX53.1 ; 6.63,35.51 6.68,35.56 MX71.1
  Bottom w0.25: v1(201.35,19.6) 201.35,17.96 199.59,16.2 U2.2
